# KiCad board panel.kicad_pcb (continued)
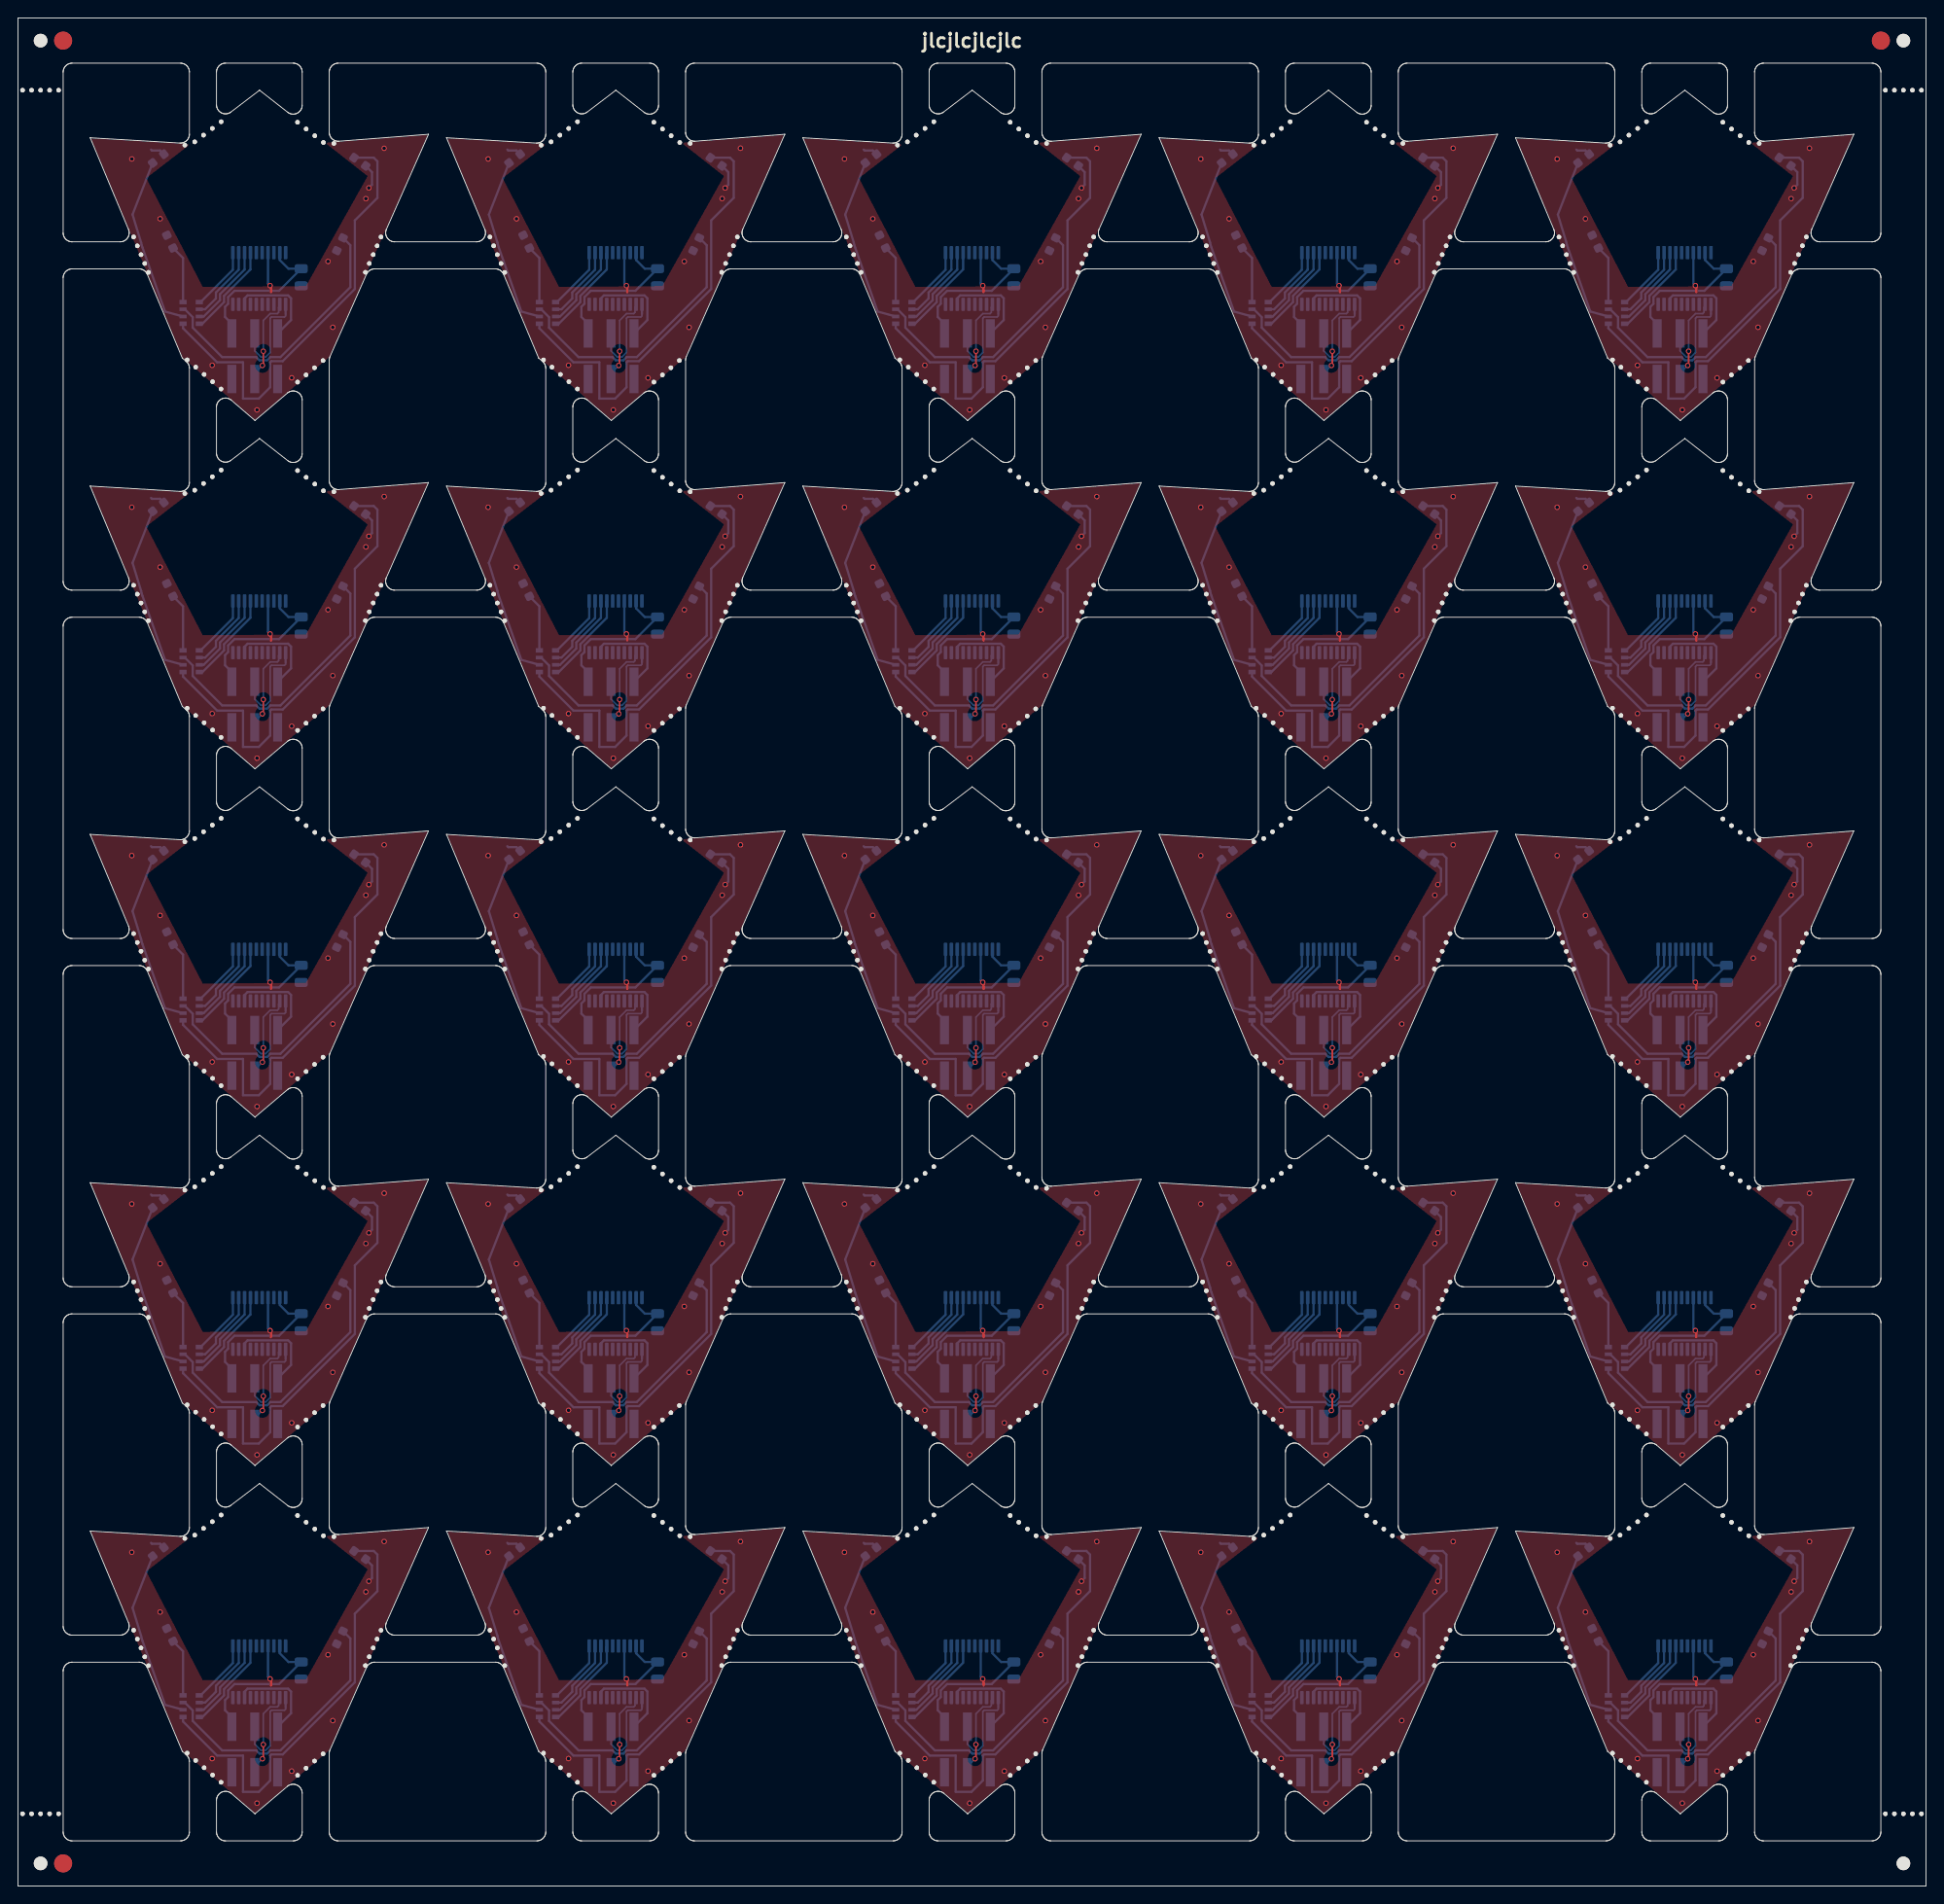
[diagram p0: board, top side]
## Routing (per net, layer and track width the routed paths; a pad name or vN(x,y) marks a point on that pad's centre or on a via; arc(x,y) is an arc through that point) (continued)
Board_10-Net-(D8-A): length 49.7
  Bottom w0.25: RN1#8.1 18.29,95.44 22.07,91.67 24.94,91.67 24.94,87.64 26.7,87.64 27.96,88.9 27.96,91.67 28.08,91.79 29.34,91.79 37.34,99.79 37.34,107.39 39.84,109.89 39.84,113.94 39.44,114.35 D8#6.2
Board_10-SCL: length 9.8
  Top w0.18: v1(27.19,92.89) 27.19,91.41 v1(27.09,91.31)
  Bottom w0.18: 29.02,98.02 29.02,97.87 28.9,97.74 28.9,97.2 28.76,97.06 27.96,97.06 27.19,96.3 v1(27.19,92.89) ; J1#19.4 26.24,90.46 v1(27.09,91.31)
Board_10-SDA: length 11
  Bottom w0.18: J1#19.3 26.24,92.94 26.93,92.25 27.46,92.25 27.96,92.75 27.96,96.55 28.1,96.69 29.54,96.69 29.67,96.82 29.67,97.02
  Bottom w0.25: 29.67,98.02 29.67,97.02
Board_10-SWIO: length 10.7
  Bottom w0.25: J1#19.5 30.27,96.35 30.27,98.76 29.95,99.08 25.45,99.08 25.12,98.75 25.12,98.02
Board_10-VCC: length 17.4
  Bottom w0.25: J1#19.1 23.7,95.94 22.95,96.69 22.95,97.82 23.29,98.15 23.29,98.89 23.99,99.59 28.94,99.59 C1#14.2 29.98,102.04 29.02,103 29.02,103.74
Board_10-VSS: length 9
  Top w0.25: v1(27.94,100.17) 28.04,100.07 28.04,99.44
  Bottom w0.25: v1(38.89,110.99) 39.24,111.34 39.24,112.74 D8#6.1 ; D4#25.1 15.76,115.14 14.84,115.14 14.74,115.24 ; U1#20.7 27.72,100.39 v1(27.94,100.17)
  vias: v1(12.61,114.2) v1(15.75,107.57) v1(21.52,91.33) v1(26.49,86.39) v1(30.34,89.94) v1(34.36,102.84) v1(34.89,95.54) v1(38.56,109.81) v1(40.59,115.39)
Board_11-A: length 7
  Bottom w0.25: RN1#7.5 59.75,98.34 63.33,101.92 63.33,103.74
Board_11-B: length 8.4
  Bottom w0.25: RN1#7.6 60.25,97.54 61.45,98.74 61.45,99.4 63.98,101.93 63.98,103.74
Board_11-C: length 9.4
  Bottom w0.25: 64.63,103.74 64.63,101.94 61.9,99.22 61.9,98.55 60.09,96.74 RN1#7.7
Board_11-D: length 10.4
  Bottom w0.25: 65.28,103.74 65.28,101.96 62.35,99.03 62.35,98.34 59.95,95.94 RN1#7.8
Board_11-Net-(D2-A): length 6.4
  Bottom w0.25: D2#7.2 57.8,103.23 RN1#7.4
Board_11-Net-(D4-A): length 19.6
  Bottom w0.25: RN1#7.2 55.8,97.29 53.3,104.39 53.2,104.69 53.15,104.94 52.2,108.04 D4#22.2
Board_11-Net-(D6-A): length 30.7
  Bottom w0.25: RN1#7.3 58,97.54 58.88,96.67 58.88,95.5 62.14,92.24 65.93,92.24 66.29,91.89 67.12,91.89 67.47,92.24 68.6,92.24 76.35,99.99 76.35,104.65 D6#14.2
Board_11-Net-(D8-A): length 49.7
  Bottom w0.25: D8#12.2 78.95,114.35 79.35,113.94 79.35,109.89 76.85,107.39 76.85,99.79 68.85,91.79 67.59,91.79 67.47,91.67 67.47,88.9 66.2,87.64 64.45,87.64 64.45,91.67 61.58,91.67 57.8,95.44 RN1#7.1
Board_11-SCL: length 9.8
  Top w0.18: v1(66.6,91.31) 66.7,91.41 v1(66.7,92.89)
  Bottom w0.18: v1(66.7,92.89) 66.7,96.3 67.47,97.06 68.27,97.06 68.4,97.2 68.4,97.74 68.53,97.87 68.53,98.02 ; v1(66.6,91.31) 65.75,90.46 J1#22.4
Board_11-SDA: length 11
  Bottom w0.18: J1#22.3 65.75,92.94 66.44,92.25 66.97,92.25 67.47,92.75 67.47,96.55 67.61,96.69 69.05,96.69 69.18,96.82 69.18,97.02
  Bottom w0.25: 69.18,98.02 69.18,97.02
Board_11-SWIO: length 10.7
  Bottom w0.25: 64.63,98.02 64.63,98.75 64.95,99.08 69.46,99.08 69.78,98.76 69.78,96.35 J1#22.5
Board_11-VCC: length 17.4
  Bottom w0.25: 68.53,103.74 68.53,103 69.49,102.04 C1#11.2 68.45,99.59 63.5,99.59 62.8,98.89 62.8,98.15 62.46,97.82 62.46,96.69 63.21,95.94 J1#22.1
Board_11-VSS: length 9
  Top w0.25: v1(67.45,100.17) 67.55,100.07 67.55,99.44
  Bottom w0.25: U1#3.7 67.23,100.39 v1(67.45,100.17) ; D8#12.1 78.75,112.74 78.75,111.34 v1(78.4,110.99) ; D4#22.1 55.27,115.14 54.35,115.14 54.25,115.24
  vias: v1(52.12,114.2) v1(55.26,107.57) v1(61.03,91.33) v1(66,86.39) v1(69.85,89.94) v1(73.87,102.84) v1(74.4,95.54) v1(78.07,109.81) v1(80.1,115.39)
Board_12-A: length 7
  Bottom w0.25: 102.84,103.74 102.84,101.92 99.26,98.34 RN1#24.5
Board_12-B: length 8.4
  Bottom w0.25: 103.49,103.74 103.49,101.93 100.96,99.4 100.96,98.74 99.76,97.54 RN1#24.6
Board_12-C: length 9.4
  Bottom w0.25: 104.14,103.74 104.14,101.94 101.41,99.22 101.41,98.55 99.6,96.74 RN1#24.7
Board_12-D: length 10.4
  Bottom w0.25: RN1#24.8 99.46,95.94 101.86,98.34 101.86,99.03 104.79,101.96 104.79,103.74
Board_12-Net-(D2-A): length 6.4
  Bottom w0.25: D2#11.2 97.31,103.23 RN1#24.4
Board_12-Net-(D4-A): length 19.6
  Bottom w0.25: RN1#24.2 95.31,97.29 92.81,104.39 92.71,104.69 92.66,104.94 91.71,108.04 D4#7.2
Board_12-Net-(D6-A): length 30.7
  Bottom w0.25: RN1#24.3 97.51,97.54 98.39,96.67 98.39,95.5 101.65,92.24 105.44,92.24 105.8,91.89 106.63,91.89 106.98,92.24 108.11,92.24 115.86,99.99 115.86,104.65 D6#9.2
Board_12-Net-(D8-A): length 49.7
  Bottom w0.25: RN1#24.1 97.31,95.44 101.09,91.67 103.96,91.67 103.96,87.64 105.71,87.64 106.97,88.9 106.97,91.67 107.1,91.79 108.36,91.79 116.36,99.79 116.36,107.39 118.86,109.89 118.86,113.94 118.46,114.35 D8#11.2
Board_12-SCL: length 9.8
  Top w0.18: v1(106.21,92.89) 106.21,91.41 v1(106.11,91.31)
  Bottom w0.18: v1(106.21,92.89) 106.21,96.3 106.97,97.06 107.78,97.06 107.91,97.2 107.91,97.74 108.04,97.87 108.04,98.02 ; J1#4.4 105.26,90.46 v1(106.11,91.31)
Board_12-SDA: length 11
  Bottom w0.18: J1#4.3 105.26,92.94 105.95,92.25 106.48,92.25 106.98,92.75 106.98,96.55 107.11,96.69 108.56,96.69 108.69,96.82 108.69,97.02
  Bottom w0.25: 108.69,98.02 108.69,97.02
Board_12-SWIO: length 10.7
  Bottom w0.25: 104.14,98.02 104.14,98.75 104.46,99.08 108.97,99.08 109.29,98.76 109.29,96.35 J1#4.5
Board_12-VCC: length 17.4
  Bottom w0.25: 108.04,103.74 108.04,103 109,102.04 C1#10.2 107.96,99.59 103.01,99.59 102.31,98.89 102.31,98.15 101.97,97.82 101.97,96.69 102.72,95.94 J1#4.1
Board_12-VSS: length 9
  Top w0.25: 107.06,99.44 107.06,100.07 v1(106.96,100.17)
  Bottom w0.25: U1#10.7 106.74,100.39 v1(106.96,100.17) ; D8#11.1 118.26,112.74 118.26,111.34 v1(117.91,110.99) ; D4#7.1 94.78,115.14 93.86,115.14 93.76,115.24
  vias: v1(91.63,114.2) v1(94.77,107.57) v1(100.54,91.33) v1(105.51,86.39) v1(109.36,89.94) v1(113.38,102.84) v1(113.91,95.54) v1(117.58,109.81) v1(119.61,115.39)
Board_13-A: length 7
  Bottom w0.25: RN1#11.5 138.77,98.34 142.34,101.92 142.34,103.74
Board_13-B: length 8.4
  Bottom w0.25: RN1#11.6 139.27,97.54 140.47,98.74 140.47,99.4 142.99,101.93 142.99,103.74
Board_13-C: length 9.4
  Bottom w0.25: 143.64,103.74 143.64,101.94 140.92,99.22 140.92,98.55 139.11,96.74 RN1#11.7
Board_13-D: length 10.4
  Bottom w0.25: RN1#11.8 138.97,95.94 141.37,98.34 141.37,99.03 144.29,101.96 144.29,103.74
Board_13-Net-(D2-A): length 6.4
  Bottom w0.25: RN1#11.4 136.82,103.23 D2#8.2
Board_13-Net-(D4-A): length 19.6
  Bottom w0.25: D4#20.2 131.22,108.04 132.17,104.94 132.22,104.69 132.32,104.39 134.82,97.29 RN1#11.2
Board_13-Net-(D6-A): length 30.7
  Bottom w0.25: D6#15.2 155.37,104.65 155.37,99.99 147.62,92.24 146.49,92.24 146.14,91.89 145.3,91.89 144.95,92.24 141.16,92.24 137.89,95.5 137.89,96.67 137.02,97.54 RN1#11.3
Board_13-Net-(D8-A): length 49.7
  Bottom w0.25: D8#22.2 157.97,114.35 158.37,113.94 158.37,109.89 155.87,107.39 155.87,99.79 147.87,91.79 146.61,91.79 146.48,91.67 146.48,88.9 145.22,87.64 143.47,87.64 143.47,91.67 140.59,91.67 136.82,95.44 RN1#11.1
Board_13-SCL: length 9.8
  Top w0.18: v1(145.62,91.31) 145.72,91.41 v1(145.72,92.89)
  Bottom w0.18: v1(145.72,92.89) 145.72,96.3 146.48,97.06 147.28,97.06 147.42,97.2 147.42,97.74 147.54,97.87 147.54,98.02 ; J1#25.4 144.77,90.46 v1(145.62,91.31)
Board_13-SDA: length 11
  Bottom w0.18: 148.19,97.02 148.19,96.82 148.07,96.69 146.62,96.69 146.48,96.55 146.48,92.75 145.99,92.25 145.45,92.25 144.77,92.94 J1#25.3
  Bottom w0.25: 148.19,98.02 148.19,97.02
Board_13-SWIO: length 10.7
  Bottom w0.25: J1#25.5 148.8,96.35 148.8,98.76 148.47,99.08 143.97,99.08 143.64,98.75 143.64,98.02
Board_13-VCC: length 17.4
  Bottom w0.25: J1#25.1 142.23,95.94 141.48,96.69 141.48,97.82 141.82,98.15 141.82,98.89 142.52,99.59 147.47,99.59 C1#9.2 148.51,102.04 147.54,103 147.54,103.74
Board_13-VSS: length 9
  Top w0.25: v1(146.47,100.17) 146.57,100.07 146.57,99.44
  Bottom w0.25: v1(157.42,110.99) 157.77,111.34 157.77,112.74 D8#22.1 ; v1(146.47,100.17) 146.24,100.39 U1#23.7 ; D4#20.1 134.28,115.14 133.37,115.14 133.27,115.24
  vias: v1(131.14,114.2) v1(134.28,107.57) v1(140.05,91.33) v1(145.02,86.39) v1(148.87,89.94) v1(152.89,102.84) v1(153.42,95.54) v1(157.09,109.81) v1(159.12,115.39)
Board_14-A: length 7
  Bottom w0.25: 181.85,103.74 181.85,101.92 178.28,98.34 RN1#13.5
Board_14-B: length 8.4
  Bottom w0.25: RN1#13.6 178.78,97.54 179.98,98.74 179.98,99.4 182.5,101.93 182.5,103.74
Board_14-C: length 9.4
  Bottom w0.25: 183.15,103.74 183.15,101.94 180.43,99.22 180.43,98.55 178.62,96.74 RN1#13.7
Board_14-D: length 10.4
  Bottom w0.25: RN1#13.8 178.48,95.94 180.88,98.34 180.88,99.03 183.8,101.96 183.8,103.74
Board_14-Net-(D2-A): length 6.4
  Bottom w0.25: RN1#13.4 176.33,103.23 D2#18.2
Board_14-Net-(D4-A): length 19.6
  Bottom w0.25: D4.2 170.73,108.04 171.68,104.94 171.73,104.69 171.83,104.39 174.33,97.29 RN1#13.2
Board_14-Net-(D6-A): length 30.7
  Bottom w0.25: RN1#13.3 176.53,97.54 177.4,96.67 177.4,95.5 180.66,92.24 184.46,92.24 184.81,91.89 185.64,91.89 186,92.24 187.13,92.24 194.88,99.99 194.88,104.65 D6#6.2
Board_14-Net-(D8-A): length 49.7
  Bottom w0.25: D8#5.2 197.48,114.35 197.88,113.94 197.88,109.89 195.38,107.39 195.38,99.79 187.38,91.79 186.12,91.79 185.99,91.67 185.99,88.9 184.73,87.64 182.98,87.64 182.98,91.67 180.1,91.67 176.33,95.44 RN1#13.1
Board_14-SCL: length 9.8
  Top w0.18: v1(185.23,92.89) 185.23,91.41 v1(185.13,91.31)
  Bottom w0.18: 187.05,98.02 187.05,97.87 186.93,97.74 186.93,97.2 186.79,97.06 185.99,97.06 185.23,96.3 v1(185.23,92.89) ; v1(185.13,91.31) 184.28,90.46 J1#24.4
Board_14-SDA: length 11
  Bottom w0.18: J1#24.3 184.28,92.94 184.96,92.25 185.49,92.25 185.99,92.75 185.99,96.55 186.13,96.69 187.58,96.69 187.7,96.82 187.7,97.02
  Bottom w0.25: 187.7,98.02 187.7,97.02
Board_14-SWIO: length 10.7
  Bottom w0.25: 183.15,98.02 183.15,98.75 183.48,99.08 187.98,99.08 188.3,98.76 188.3,96.35 J1#24.5
Board_14-VCC: length 17.4
  Bottom w0.25: 187.05,103.74 187.05,103 188.02,102.04 C1#13.2 186.98,99.59 182.03,99.59 181.33,98.89 181.33,98.15 180.99,97.82 180.99,96.69 181.74,95.94 J1#24.1
Board_14-VSS: length 9
  Top w0.25: 186.08,99.44 186.08,100.07 v1(185.98,100.17)
  Bottom w0.25: v1(185.98,100.17) 185.75,100.39 U1#13.7 ; D8#5.1 197.28,112.74 197.28,111.34 v1(196.93,110.99) ; D4.1 173.79,115.14 172.88,115.14 172.78,115.24
  vias: v1(170.65,114.2) v1(173.79,107.57) v1(179.56,91.33) v1(184.53,86.39) v1(188.38,89.94) v1(192.4,102.84) v1(192.93,95.54) v1(196.6,109.81) v1(198.63,115.39)
Board_15-A: length 7
  Bottom w0.25: RN1#22.5 20.24,59.73 23.82,63.31 23.82,65.13
Board_15-B: length 8.4
  Bottom w0.25: 24.47,65.13 24.47,63.32 21.94,60.8 21.94,60.13 20.74,58.93 RN1#22.6
Board_15-C: length 9.4
  Bottom w0.25: 25.12,65.13 25.12,63.34 22.39,60.61 22.39,59.94 20.58,58.13 RN1#22.7
Board_15-D: length 10.4
  Bottom w0.25: RN1#22.8 20.44,57.33 22.84,59.73 22.84,60.42 25.77,63.35 25.77,65.13
Board_15-Net-(D2-A): length 6.4
  Bottom w0.25: D2#20.2 18.29,64.62 RN1#22.4
Board_15-Net-(D4-A): length 19.6
  Bottom w0.25: D4#10.2 12.69,69.43 13.64,66.33 13.69,66.08 13.79,65.78 16.29,58.68 RN1#22.2
Board_15-Net-(D6-A): length 30.7
  Bottom w0.25: RN1#22.3 18.49,58.93 19.37,58.06 19.37,56.9 22.63,53.63 26.42,53.63 26.78,53.28 27.61,53.28 27.97,53.63 29.09,53.63 36.84,61.38 36.84,66.04 D6#18.2
Board_15-Net-(D8-A): length 49.7
  Bottom w0.25: RN1#22.1 18.29,56.83 22.07,53.06 24.94,53.06 24.94,49.03 26.7,49.03 27.96,50.3 27.96,53.06 28.08,53.18 29.34,53.18 37.34,61.18 37.34,68.78 39.84,71.28 39.84,75.33 39.44,75.74 D8#10.2
Board_15-SCL: length 9.8
  Top w0.18: v1(27.19,54.28) 27.19,52.8 v1(27.09,52.7)
  Bottom w0.18: v1(27.19,54.28) 27.19,57.69 27.96,58.46 28.76,58.46 28.9,58.59 28.9,59.14 29.02,59.26 29.02,59.41 ; J1#12.4 26.24,51.85 v1(27.09,52.7)
Board_15-SDA: length 11
  Bottom w0.18: J1#12.3 26.24,54.33 26.93,53.64 27.46,53.64 27.96,54.14 27.96,57.95 28.1,58.08 29.54,58.08 29.67,58.21 29.67,58.41
  Bottom w0.25: 29.67,59.41 29.67,58.41
Board_15-SWIO: length 10.7
  Bottom w0.25: 25.12,59.41 25.12,60.15 25.45,60.47 29.95,60.47 30.27,60.15 30.27,57.75 J1#12.5
Board_15-VCC: length 17.4
  Bottom w0.25: 29.02,65.13 29.02,64.4 29.98,63.43 C1#17.2 28.94,60.98 23.99,60.98 23.29,60.28 23.29,59.55 22.95,59.21 22.95,58.08 23.7,57.33 J1#12.1
Board_15-VSS: length 9
  Top w0.25: 28.04,60.83 28.04,61.46 v1(27.94,61.56)
  Bottom w0.25: D4#10.1 15.76,76.53 14.84,76.53 14.74,76.63 ; v1(27.94,61.56) 27.72,61.78 U1#5.7 ; D8#10.1 39.24,74.13 39.24,72.73 v1(38.89,72.38)
  vias: v1(12.61,75.59) v1(15.75,68.96) v1(21.52,52.72) v1(26.49,47.78) v1(30.34,51.33) v1(34.36,64.23) v1(34.89,56.93) v1(38.56,71.2) v1(40.59,76.78)
Board_16-A: length 7
  Bottom w0.25: RN1#9.5 59.75,59.73 63.33,63.31 63.33,65.13
Board_16-B: length 8.4
  Bottom w0.25: 63.98,65.13 63.98,63.32 61.45,60.8 61.45,60.13 60.25,58.93 RN1#9.6
Board_16-C: length 9.4
  Bottom w0.25: RN1#9.7 60.09,58.13 61.9,59.94 61.9,60.61 64.63,63.34 64.63,65.13
Board_16-D: length 10.4
  Bottom w0.25: 65.28,65.13 65.28,63.35 62.35,60.42 62.35,59.73 59.95,57.33 RN1#9.8
Board_16-Net-(D2-A): length 6.4
  Bottom w0.25: D2#4.2 57.8,64.62 RN1#9.4
Board_16-Net-(D4-A): length 19.6
  Bottom w0.25: D4#13.2 52.2,69.43 53.15,66.33 53.2,66.08 53.3,65.78 55.8,58.68 RN1#9.2
Board_16-Net-(D6-A): length 30.7
  Bottom w0.25: D6#8.2 76.35,66.04 76.35,61.38 68.6,53.63 67.47,53.63 67.12,53.28 66.29,53.28 65.93,53.63 62.14,53.63 58.88,56.9 58.88,58.06 58,58.93 RN1#9.3
Board_16-Net-(D8-A): length 49.7
  Bottom w0.25: D8#23.2 78.95,75.74 79.35,75.33 79.35,71.28 76.85,68.78 76.85,61.18 68.85,53.18 67.59,53.18 67.47,53.06 67.47,50.3 66.2,49.03 64.45,49.03 64.45,53.06 61.58,53.06 57.8,56.83 RN1#9.1
Board_16-SCL: length 9.8
  Top w0.18: v1(66.7,54.28) 66.7,52.8 v1(66.6,52.7)
  Bottom w0.18: J1#8.4 65.75,51.85 v1(66.6,52.7) ; 68.53,59.41 68.53,59.26 68.4,59.14 68.4,58.59 68.27,58.46 67.47,58.46 66.7,57.69 v1(66.7,54.28)
Board_16-SDA: length 11
  Bottom w0.18: J1#8.3 65.75,54.33 66.44,53.64 66.97,53.64 67.47,54.14 67.47,57.95 67.61,58.08 69.05,58.08 69.18,58.21 69.18,58.41
  Bottom w0.25: 69.18,59.41 69.18,58.41
Board_16-SWIO: length 10.7
  Bottom w0.25: J1#8.5 69.78,57.75 69.78,60.15 69.46,60.47 64.95,60.47 64.63,60.15 64.63,59.41
Board_16-VCC: length 17.4
  Bottom w0.25: J1#8.1 63.21,57.33 62.46,58.08 62.46,59.21 62.8,59.55 62.8,60.28 63.5,60.98 68.45,60.98 C1#4.2 69.49,63.43 68.53,64.4 68.53,65.13
Board_16-VSS: length 9
  Top w0.25: 67.55,60.83 67.55,61.46 v1(67.45,61.56)
  Bottom w0.25: U1#7.7 67.23,61.78 v1(67.45,61.56) ; D4#13.1 55.27,76.53 54.35,76.53 54.25,76.63 ; v1(78.4,72.38) 78.75,72.73 78.75,74.13 D8#23.1
  vias: v1(52.12,75.59) v1(55.26,68.96) v1(61.03,52.72) v1(66,47.78) v1(69.85,51.33) v1(73.87,64.23) v1(74.4,56.93) v1(78.07,71.2) v1(80.1,76.78)
Board_17-A: length 7
  Bottom w0.25: RN1#18.5 99.26,59.73 102.84,63.31 102.84,65.13
Board_17-B: length 8.4
  Bottom w0.25: RN1#18.6 99.76,58.93 100.96,60.13 100.96,60.8 103.49,63.32 103.49,65.13
Board_17-C: length 9.4
  Bottom w0.25: 104.14,65.13 104.14,63.34 101.41,60.61 101.41,59.94 99.6,58.13 RN1#18.7
Board_17-D: length 10.4
  Bottom w0.25: RN1#18.8 99.46,57.33 101.86,59.73 101.86,60.42 104.79,63.35 104.79,65.13
Board_17-Net-(D2-A): length 6.4
  Bottom w0.25: RN1#18.4 97.31,64.62 D2#5.2
Board_17-Net-(D4-A): length 19.6
  Bottom w0.25: RN1#18.2 95.31,58.68 92.81,65.78 92.71,66.08 92.66,66.33 91.71,69.43 D4#11.2
Board_17-Net-(D6-A): length 30.7
  Bottom w0.25: RN1#18.3 97.51,58.93 98.39,58.06 98.39,56.9 101.65,53.63 105.44,53.63 105.8,53.28 106.63,53.28 106.98,53.63 108.11,53.63 115.86,61.38 115.86,66.04 D6#20.2
Board_17-Net-(D8-A): length 49.7
  Bottom w0.25: D8#16.2 118.46,75.74 118.86,75.33 118.86,71.28 116.36,68.78 116.36,61.18 108.36,53.18 107.1,53.18 106.97,53.06 106.97,50.3 105.71,49.03 103.96,49.03 103.96,53.06 101.09,53.06 97.31,56.83 RN1#18.1
Board_17-SCL: length 9.8
  Top w0.18: v1(106.21,54.28) 106.21,52.8 v1(106.11,52.7)
  Bottom w0.18: 108.04,59.41 108.04,59.26 107.91,59.14 107.91,58.59 107.78,58.46 106.97,58.46 106.21,57.69 v1(106.21,54.28) ; v1(106.11,52.7) 105.26,51.85 J1#6.4
Board_17-SDA: length 11
  Bottom w0.18: 108.69,58.41 108.69,58.21 108.56,58.08 107.11,58.08 106.98,57.95 106.98,54.14 106.48,53.64 105.95,53.64 105.26,54.33 J1#6.3
  Bottom w0.25: 108.69,59.41 108.69,58.41
Board_17-SWIO: length 10.7
  Bottom w0.25: 104.14,59.41 104.14,60.15 104.46,60.47 108.97,60.47 109.29,60.15 109.29,57.75 J1#6.5
Board_17-VCC: length 17.4
  Bottom w0.25: 108.04,65.13 108.04,64.4 109,63.43 C1#21.2 107.96,60.98 103.01,60.98 102.31,60.28 102.31,59.55 101.97,59.21 101.97,58.08 102.72,57.33 J1#6.1
Board_17-VSS: length 9
  Top w0.25: v1(106.96,61.56) 107.06,61.46 107.06,60.83
  Bottom w0.25: v1(117.91,72.38) 118.26,72.73 118.26,74.13 D8#16.1 ; 93.76,76.63 93.86,76.53 94.78,76.53 D4#11.1 ; U1#9.7 106.74,61.78 v1(106.96,61.56)
  vias: v1(91.63,75.59) v1(94.77,68.96) v1(100.54,52.72) v1(105.51,47.78) v1(109.36,51.33) v1(113.38,64.23) v1(113.91,56.93) v1(117.58,71.2) v1(119.61,76.78)
Board_18-A: length 7
  Bottom w0.25: RN1.5 138.77,59.73 142.34,63.31 142.34,65.13
Board_18-B: length 8.4
  Bottom w0.25: RN1.6 139.27,58.93 140.47,60.13 140.47,60.8 142.99,63.32 142.99,65.13
Board_18-C: length 9.4
  Bottom w0.25: 143.64,65.13 143.64,63.34 140.92,60.61 140.92,59.94 139.11,58.13 RN1.7
Board_18-D: length 10.4
  Bottom w0.25: 144.29,65.13 144.29,63.35 141.37,60.42 141.37,59.73 138.97,57.33 RN1.8
Board_18-Net-(D2-A): length 6.4
  Bottom w0.25: RN1.4 136.82,64.62 D2#15.2
Board_18-Net-(D4-A): length 19.6
  Bottom w0.25: D4#14.2 131.22,69.43 132.17,66.33 132.22,66.08 132.32,65.78 134.82,58.68 RN1.2
Board_18-Net-(D6-A): length 30.7
  Bottom w0.25: D6#10.2 155.37,66.04 155.37,61.38 147.62,53.63 146.49,53.63 146.14,53.28 145.3,53.28 144.95,53.63 141.16,53.63 137.89,56.9 137.89,58.06 137.02,58.93 RN1.3
Board_18-Net-(D8-A): length 49.7
  Bottom w0.25: D8#21.2 157.97,75.74 158.37,75.33 158.37,71.28 155.87,68.78 155.87,61.18 147.87,53.18 146.61,53.18 146.48,53.06 146.48,50.3 145.22,49.03 143.47,49.03 143.47,53.06 140.59,53.06 136.82,56.83 RN1.1
Board_18-SCL: length 9.8
  Top w0.18: v1(145.62,52.7) 145.72,52.8 v1(145.72,54.28)
  Bottom w0.18: 147.54,59.41 147.54,59.26 147.42,59.14 147.42,58.59 147.28,58.46 146.48,58.46 145.72,57.69 v1(145.72,54.28) ; v1(145.62,52.7) 144.77,51.85 J1#2.4
Board_18-SDA: length 11
  Bottom w0.18: J1#2.3 144.77,54.33 145.45,53.64 145.99,53.64 146.48,54.14 146.48,57.95 146.62,58.08 148.07,58.08 148.19,58.21 148.19,58.41
  Bottom w0.25: 148.19,59.41 148.19,58.41
Board_18-SWIO: length 10.7
  Bottom w0.25: 143.64,59.41 143.64,60.15 143.97,60.47 148.47,60.47 148.8,60.15 148.8,57.75 J1#2.5
Board_18-VCC: length 17.4
  Bottom w0.25: J1#2.1 142.23,57.33 141.48,58.08 141.48,59.21 141.82,59.55 141.82,60.28 142.52,60.98 147.47,60.98 C1#16.2 148.51,63.43 147.54,64.4 147.54,65.13
Board_18-VSS: length 9
  Top w0.25: v1(146.47,61.56) 146.57,61.46 146.57,60.83
  Bottom w0.25: v1(157.42,72.38) 157.77,72.73 157.77,74.13 D8#21.1 ; D4#14.1 134.28,76.53 133.37,76.53 133.27,76.63 ; U1#18.7 146.24,61.78 v1(146.47,61.56)
  vias: v1(131.14,75.59) v1(134.28,68.96) v1(140.05,52.72) v1(145.02,47.78) v1(148.87,51.33) v1(152.89,64.23) v1(153.42,56.93) v1(157.09,71.2) v1(159.12,76.78)
Board_19-A: length 7
  Bottom w0.25: RN1#23.5 178.28,59.73 181.85,63.31 181.85,65.13
Board_19-B: length 8.4
  Bottom w0.25: RN1#23.6 178.78,58.93 179.98,60.13 179.98,60.8 182.5,63.32 182.5,65.13
Board_19-C: length 9.4
  Bottom w0.25: 183.15,65.13 183.15,63.34 180.43,60.61 180.43,59.94 178.62,58.13 RN1#23.7
Board_19-D: length 10.4
  Bottom w0.25: RN1#23.8 178.48,57.33 180.88,59.73 180.88,60.42 183.8,63.35 183.8,65.13
Board_19-Net-(D2-A): length 6.4
  Bottom w0.25: D2#24.2 176.33,64.62 RN1#23.4
Board_19-Net-(D4-A): length 19.6
  Bottom w0.25: RN1#23.2 174.33,58.68 171.83,65.78 171.73,66.08 171.68,66.33 170.73,69.43 D4#6.2
Board_19-Net-(D6-A): length 30.7
  Bottom w0.25: RN1#23.3 176.53,58.93 177.4,58.06 177.4,56.9 180.66,53.63 184.46,53.63 184.81,53.28 185.64,53.28 186,53.63 187.13,53.63 194.88,61.38 194.88,66.04 D6.2
Board_19-Net-(D8-A): length 49.7
  Bottom w0.25: RN1#23.1 176.33,56.83 180.1,53.06 182.98,53.06 182.98,49.03 184.73,49.03 185.99,50.3 185.99,53.06 186.12,53.18 187.38,53.18 195.38,61.18 195.38,68.78 197.88,71.28 197.88,75.33 197.48,75.74 D8#15.2
Board_19-SCL: length 9.8
  Top w0.18: v1(185.23,54.28) 185.23,52.8 v1(185.13,52.7)
  Bottom w0.18: v1(185.13,52.7) 184.28,51.85 J1#3.4 ; 187.05,59.41 187.05,59.26 186.93,59.14 186.93,58.59 186.79,58.46 185.99,58.46 185.23,57.69 v1(185.23,54.28)
Board_19-SDA: length 11
  Bottom w0.18: J1#3.3 184.28,54.33 184.96,53.64 185.49,53.64 185.99,54.14 185.99,57.95 186.13,58.08 187.58,58.08 187.7,58.21 187.7,58.41